# Allegro board PCIe3_0_X16_V1_0-166-20240802_20240828_pcb.brd (continued)
## Library data of the parts (continued)
C1-C8 C10 C40-C44 C48-C51 C58-C61 C68 C73-C76 C85-C94 C96 C98 C123 C124 C126 C128 C153 C156 C161-C169 C182 C183 C185 C187 C212 C213 C215 C217 C242 C245 C250-C258 C272 C275 C276 C278 C280 C282 C284 C287 C288 C290 C292 C294 C296 C298 C300 C302-C310 C314-C318 C329 C330 C341 C342 C454 C463 C469-C486 = 0_1UF_0
C9 C11 C25 C26 C28 C36 C38 C45 C52 C54 C55 C99 C111 C129 C141 C170 C188 C200 C218 C230 C259 C416 C437 = 47UF_0
C12-C15 = 0_01UF_0: signal model: 0_01UF_0_C0402_BGA_0.01UF_0.01UF
C16 C17 C19 C20 C372 C373 = 0_01UF_1: signal model: 0_01UF_1_C0402_0.1UF_0.1UF
C18 C431 C433 = 10UF_1
C21-C24 C27 C35 C415 = 100UF_0
C29-C34 C37 C39 C46 C53 C56 C57 C62-C67 C359 C366 C419 C447 C448 C451-C453 C456 C457 C460-C462 = 10UF_0
C47 C358 C365 C375 C391 C392 C400 C401 C409 C410 C427 C428 C445 C468 = 1UF_0
C69-C72 C77-C84 C95 C97 C101-C110 C113-C122 C125 C127 C131-C140 C143-C152 C155 C157-C160 C172-C181 C184 C186 C190-C199 C202-C211 C214 C216 C220-C229 C232-C241 C244 C246-C249 C261-C270 = 4_7UF_0
C100 C112 C130 C142 C171 C189 C201 C219 C231 C260 C271 C273 C274 C277 C279 C281 C283 C285 C286 C289 C291 C293 C295 C297 C299 C301 C312 C378-C381 C387-C390 C396-C399 C405-C408 C423-C426 C435 C440-C443 = 22UF_0
C154 C243 C319-C328 C331-C340 C343-C357 C360-C364 C367-C369 C374 C376 C377 C385 C386 C393-C395 C402-C404 C411-C414 C417 C420 C422 C429 C430 C432 C434 C436 C438 C439 C446 C466 = 0_01UF_0
C313 C467 = 10UF_2
C370 C371 = 0_01UF_1
C382 C383 C421 C449 C458 = 1000PF_0
C384 C418 C444 C450 C455 C459 C464 = 4_7UF_1
C465 = CAP_NPOL
CC1-CC15 = 680UF_TANT_E_1
D1-D4 = BAT54CLT1G_2
D5 = H485CGDL
DS1 DS2 = LED-GRN-SMT_LED_2
J1 = 10PIN_CONNECTOR_1
J2 = SMA_3
J3 = QSFP_523-FS1-Z38-20Z6-10
J4 = U95-T1Y1-A100
J5 = POWER_HDR_0
J6 = HDR_0
L1-L28 L30 L32 L34 L36 L37 L39-L43 L45-L51 = BLM15HD102SN1_0
L29 L44 = 2773021447_1
L31 L33 L35 L38 = INDUCTOR
MH1-MH4 = HOLE_MH_125_3
P1 = TE_2007132-1
P2 = PCIE_X16_EDGE_0
Q1 Q2 Q4 = NDS331N_SOT23_1
Q3 = CSD25402Q3A_1
R1-R3 R24-R28 R73 R115 R153-R201 R207 R213 = 4_7K_0
R4 = 261_0
R5 R6 R15 R22 R23 R55 R203 R205 R262 R278 R290 R295 R298 R300 R302 = 0_0: signal model: 0_0_R0402_0_0
R7-R10 R208 R214 R218-R261 R263-R277 R279-R289 R292-R294 R299 R301 R303 = 10_0K_0
R11 R12 R14 R16-R20 R35 R37-R39 R41 R42 R44 R47 R48 R56 R57 R59 R61-R63 R65 R66 R68 R94 R97 R99 R136 R139 R140 R210 R211 R216 R217 R297 = 1_00K_0
R13 R21 R29-R31 R202 R204 = 0_0: signal model: 0_0_R0402_0_DNP_0_DNP
R32 R33 R40 R64 R206 R209 R212 R215 = 100_0
R34 R36 R43 R58 R60 R67 R70 R72 R75 R77 R108 R112 R114 R117 R119 R150 = 100_C402_0
R45 R46 R49-R54 R69 R71 R74 R76 R81 R107 R109-R111 R113 R116 R118 R128 R149 R151 R152 = 49_9_0
R78-R80 R82-R93 R95 R96 R98 R100-R106 R120-R127 R129-R135 R137 R138 R141-R148 = RES
R291 = 249_0402
R296 = 0_0
TP1-TP22 = TEST-POINT_1
TP23-TP26 = TEST POINT
U1 = XCVU3P-2FFVC1517I
U2 = PC28F512P30TFA
U3 = NZ2520SB_2
U4-U13 = MT40A512M16LY-062E_IT_E
U14-U17 = TXS0108E_1
U18 U19 = TXS0102DCUR_1
U20 U23 = LMK1D1204RGTR_0
U21 U22 = SiT9121AI-2B1-33E200.000000
U24 = TPS56221DQPT_6
U25-U27 U29 = TPS56221DQPT_2
U28 = LT3070EUFD#TRPBF
U30 = R1112NXX1B_1
U31 = TPS7A9201DSKR_3
U32 = TPS53353DQPR_5
U33 U34 = TPS51200DRCT_0
U35 = HEAT_SINK_5

## Footprints (pads in the part's own frame, mm; a bottom-side part is the same pattern mirrored in y, then rotated)
0022112042
  round 1.575 hole 1.067: 1(0,0) 2(2.54,0) 3(5.08,0) 4(7.62,0)
0039301040
  round 3 hole 3 unplated: (-2.1,-7.3)
  rect 2.3x2.3 hole 1.8: 1(0,0)
  round 2.3 hole 1.8: 2(-4.2,0) 3(0,5.5) 4(-4.2,5.5)
ADP150AUJZ
  rect 0.953x0.508 smd: 1(-1.276,0.95) 2(-1.276,0) 3(-1.276,-0.95) 4(1.276,-0.95) 5(1.276,0.95)
ATS-61800K-C2-R0
  round 6.096 hole 3.048: 1(-37,37) 2(37,37) 3(37,-37) 4(-37,-37)
C0402
  rect 0.559x0.559 smd: 1(-0.4,0) 2(0.4,0)
C0402_BGA
  custom 0.559x0.508 smd: 1(-0.47,0) 2(0.47,0)
C0603
  rect 0.711x0.838 smd: 1(-0.7,0) 2(0.7,0)
C0805
  rect 0.838x1.295 smd: 1(-0.85,0) 2(0.85,0)
C1206
  rect 1.143x1.702 smd: 1(-1.325,0) 2(1.325,0)
C2917X
  rect 2.388x1.93 smd: 1(0,-3.193) 2(0,3.193)
CSD25402
  rect 0.61x0.305 smd: 1(-1.549,0.975) 2(-1.549,0.325) 3(-1.549,-0.325) 4(-1.549,-0.975)
  custom 2.388x2.438 smd: 5(-0.533,-0.051)
D_QSFP_1X1
  round 1.676 hole 1.2: 1(2,5.42) 2(9.2,5.42) 3(16.5,0.23) 4(16.5,-10.47) 5(16.5,-19.47) 6(16.5,-28.47) 7(16.5,-37.47) 8(-2.5,-41.97) 9(-2.5,-32.97) 10(-2.5,-23.97) 11(-2.5,-14.97) 12(-2.5,-4.27)
ECS-2520MV
  rect 0.914x0.813 smd: 1(0.925,0.725) 2(-0.925,0.725) 3(-0.925,-0.725) 4(0.925,-0.725)
FBGA_DDR4_96P
  round 0.406 smd: A1(3.2,-6) A2(2.4,-6) A3(1.6,-6) A7(-1.6,-6) A8(-2.4,-6) A9(-3.2,-6) B1(3.2,-5.2) B2(2.4,-5.2) B3(1.6,-5.2) B7(-1.6,-5.2) B8(-2.4,-5.2) B9(-3.2,-5.2) C1(3.2,-4.4) C2(2.4,-4.4) C3(1.6,-4.4) C7(-1.6,-4.4) C8(-2.4,-4.4) C9(-3.2,-4.4) D1(3.2,-3.6) D2(2.4,-3.6) D3(1.6,-3.6) D7(-1.6,-3.6) D8(-2.4,-3.6) D9(-3.2,-3.6) E1(3.2,-2.8) E2(2.4,-2.8) E3(1.6,-2.8) E7(-1.6,-2.8) E8(-2.4,-2.8) E9(-3.2,-2.8) F1(3.2,-2) F2(2.4,-2) F3(1.6,-2) F7(-1.6,-2) F8(-2.4,-2) F9(-3.2,-2) G1(3.2,-1.2) G2(2.4,-1.2) G3(1.6,-1.2) G7(-1.6,-1.2) G8(-2.4,-1.2) G9(-3.2,-1.2) H1(3.2,-0.4) H2(2.4,-0.4) H3(1.6,-0.4) H7(-1.6,-0.4) H8(-2.4,-0.4) H9(-3.2,-0.4) J1(3.2,0.4) J2(2.4,0.4) J3(1.6,0.4) J7(-1.6,0.4) J8(-2.4,0.4) J9(-3.2,0.4) K1(3.2,1.2) K2(2.4,1.2) K3(1.6,1.2) K7(-1.6,1.2) K8(-2.4,1.2) K9(-3.2,1.2) L1(3.2,2) L2(2.4,2) L3(1.6,2) L7(-1.6,2) L8(-2.4,2) L9(-3.2,2) M1(3.2,2.8) M2(2.4,2.8) M3(1.6,2.8) M7(-1.6,2.8) M8(-2.4,2.8) M9(-3.2,2.8) N1(3.2,3.6) N2(2.4,3.6) N3(1.6,3.6) N7(-1.6,3.6) N8(-2.4,3.6) N9(-3.2,3.6) P1(3.2,4.4) P2(2.4,4.4) P3(1.6,4.4) P7(-1.6,4.4) P8(-2.4,4.4) P9(-3.2,4.4) R1(3.2,5.2) R2(2.4,5.2) R3(1.6,5.2) R7(-1.6,5.2) R8(-2.4,5.2) R9(-3.2,5.2) T1(3.2,6) T2(2.4,6) T3(1.6,6) T7(-1.6,6) T8(-2.4,6) T9(-3.2,6)
H485CGDL
  round 1.397 hole 0.889: 1(0,0) 2(0,-2.54) 3(0,-5.08) 4(0,-7.62) 5(2.5,-7.62) 6(2.5,-5.08) 7(2.5,-2.54) 8(2.5,0)
IHLP4040DZERR
  rect 2.921x3.251 smd: 1(-4.28,0) 2(4.28,0)
L0402
  rect 0.508x0.508 smd: 1(-0.4,0) 2(0.4,0)
L0603
  rect 0.711x0.889 smd: 1(-0.7,0) 2(0.7,0)
L0805
  rect 0.813x1.346 smd: 1(-0.85,0) 2(0.85,0)
LED_0603
  rect 0.76x0.8 smd: 1(-0.759,0) 2(0.759,0)
LMK1D1204RGT
  rect 0.813x0.254 smd: 1(-1.448,0.75) 2(-1.448,0.25) 3(-1.448,-0.25) 4(-1.448,-0.75) 9(1.448,-0.75) 10(1.448,-0.25) 11(1.448,0.25) 12(1.448,0.75)
  rect 0.254x0.813 smd: 5(-0.75,-1.448) 6(-0.25,-1.448) 7(0.25,-1.448) 8(0.75,-1.448) 13(0.75,1.448) 14(0.25,1.448) 15(-0.25,1.448) 16(-0.75,1.448)
  rect 1.727x1.727 smd: 17(0,0)
LT3070EUFD
  rect 0.805x0.249 smd: 1(-1.952,1.75) 2(-1.952,1.25) 3(-1.952,0.75) 4(-1.952,0.25) 5(-1.952,-0.25) 6(-1.952,-0.75) 7(-1.952,-1.25) 8(-1.952,-1.75) 15(1.952,-1.75) 16(1.952,-1.25) 17(1.952,-0.75) 18(1.952,-0.25) 19(1.952,0.25) 20(1.952,0.75) 21(1.952,1.25) 22(1.952,1.75)
  rect 0.249x0.805 smd: 9(-1.25,-2.452) 10(-0.75,-2.452) 11(-0.25,-2.452) 12(0.25,-2.452) 13(0.75,-2.452) 14(1.25,-2.452) 23(1.25,2.452) 24(0.75,2.452) 25(0.25,2.452) 26(-0.25,2.452) 27(-0.75,2.452) 28(-1.25,2.452)
  rect 2.743x3.734 smd: 29(0,0)
MH_250H125
  round 6.35 hole 3.175: 1(0,0)
NDS331N
  rect 1.016x1.397 smd: 1(-0.95,-1.1) 2(0.95,-1.1) 3(0,1.1)
PA0513_441NLT
  rect 3.175x7.62 smd: 1(-6.195,0) 2(5.995,0)
PC28F512P30TFA_BGA64
  round 0.432 smd: A1(-3.5,3.5) A2(-2.5,3.5) A3(-1.5,3.5) A4(-0.5,3.5) A5(0.5,3.5) A6(1.5,3.5) A7(2.5,3.5) A8(3.5,3.5) B1(-3.5,2.5) B2(-2.5,2.5) B3(-1.5,2.5) B4(-0.5,2.5) B5(0.5,2.5) B6(1.5,2.5) B7(2.5,2.5) B8(3.5,2.5) C1(-3.5,1.5) C2(-2.5,1.5) C3(-1.5,1.5) C4(-0.5,1.5) C5(0.5,1.5) C6(1.5,1.5) C7(2.5,1.5) C8(3.5,1.5) D1(-3.5,0.5) D2(-2.5,0.5) D3(-1.5,0.5) D4(-0.5,0.5) D5(0.5,0.5) D6(1.5,0.5) D7(2.5,0.5) D8(3.5,0.5) E1(-3.5,-0.5) E2(-2.5,-0.5) E3(-1.5,-0.5) E4(-0.5,-0.5) E5(0.5,-0.5) E6(1.5,-0.5) E7(2.5,-0.5) E8(3.5,-0.5) F1(-3.5,-1.5) F2(-2.5,-1.5) F3(-1.5,-1.5) F4(-0.5,-1.5) F5(0.5,-1.5) F6(1.5,-1.5) F7(2.5,-1.5) F8(3.5,-1.5) G1(-3.5,-2.5) G2(-2.5,-2.5) G3(-1.5,-2.5) G4(-0.5,-2.5) G5(0.5,-2.5) G6(1.5,-2.5) G7(2.5,-2.5) G8(3.5,-2.5) H1(-3.5,-3.5) H2(-2.5,-3.5) H3(-1.5,-3.5) H4(-0.5,-3.5) H5(0.5,-3.5) H6(1.5,-3.5) H7(2.5,-3.5) H8(3.5,-3.5)
PCIE_X16_EDGE
  rect 0.7x3.2 smd: A1(-41.5,0.5) B81(40.5,0.5)
  rect 0.7x4.3 smd: A2(-40.5,-0.05) A3(-39.5,-0.05) A4(-38.5,-0.05) A5(-37.5,-0.05) A6(-36.5,-0.05) A7(-35.5,-0.05) A8(-34.5,-0.05) A9(-33.5,-0.05) A10(-32.5,-0.05) A11(-31.5,-0.05) A12(-28.5,-0.05) A13(-27.5,-0.05) A14(-26.5,-0.05) A15(-25.5,-0.05) A16(-24.5,-0.05) A17(-23.5,-0.05) A18(-22.5,-0.05) A19(-21.5,-0.05) A20(-20.5,-0.05) A21(-19.5,-0.05) A22(-18.5,-0.05) A23(-17.5,-0.05) A24(-16.5,-0.05) A25(-15.5,-0.05) A26(-14.5,-0.05) A27(-13.5,-0.05) A28(-12.5,-0.05) A29(-11.5,-0.05) A30(-10.5,-0.05) A31(-9.5,-0.05) A32(-8.5,-0.05) A33(-7.5,-0.05) A34(-6.5,-0.05) A35(-5.5,-0.05) A36(-4.5,-0.05) A37(-3.5,-0.05) A38(-2.5,-0.05) A39(-1.5,-0.05) A40(-0.5,-0.05) A41(0.5,-0.05) A42(1.5,-0.05) A43(2.5,-0.05) A44(3.5,-0.05) A45(4.5,-0.05) A46(5.5,-0.05) A47(6.5,-0.05) A48(7.5,-0.05) A49(8.5,-0.05) A50(9.5,-0.05) A51(10.5,-0.05) A52(11.5,-0.05) A53(12.5,-0.05) A54(13.5,-0.05) A55(14.5,-0.05) A56(15.5,-0.05) A57(16.5,-0.05) A58(17.5,-0.05) A59(18.5,-0.05) A60(19.5,-0.05) A61(20.5,-0.05) A62(21.5,-0.05) A63(22.5,-0.05) A64(23.5,-0.05) A65(24.5,-0.05) A66(25.5,-0.05) A67(26.5,-0.05) A68(27.5,-0.05) A69(28.5,-0.05) A70(29.5,-0.05) A71(30.5,-0.05) A72(31.5,-0.05) A73(32.5,-0.05) A74(33.5,-0.05) A75(34.5,-0.05) A76(35.5,-0.05) A77(36.5,-0.05) A78(37.5,-0.05) A79(38.5,-0.05) A80(39.5,-0.05) A81(40.5,-0.05) A82(41.5,-0.05) B1(-41.5,-0.05) B2(-40.5,-0.05) B3(-39.5,-0.05) B4(-38.5,-0.05) B5(-37.5,-0.05) B6(-36.5,-0.05) B7(-35.5,-0.05) B8(-34.5,-0.05) B9(-33.5,-0.05) B10(-32.5,-0.05) B11(-31.5,-0.05) B12(-28.5,-0.05) B13(-27.5,-0.05) B14(-26.5,-0.05) B15(-25.5,-0.05) B16(-24.5,-0.05) B17(-23.5,-0.05) B18(-22.5,-0.05) B19(-21.5,-0.05) B20(-20.5,-0.05) B21(-19.5,-0.05) B22(-18.5,-0.05) B23(-17.5,-0.05) B24(-16.5,-0.05) B25(-15.5,-0.05) B26(-14.5,-0.05) B27(-13.5,-0.05) B28(-12.5,-0.05) B29(-11.5,-0.05) B30(-10.5,-0.05) B31(-9.5,-0.05) B32(-8.5,-0.05) B33(-7.5,-0.05) B34(-6.5,-0.05) B35(-5.5,-0.05) B36(-4.5,-0.05) B37(-3.5,-0.05) B38(-2.5,-0.05) B39(-1.5,-0.05) B40(-0.5,-0.05) B41(0.5,-0.05) B42(1.5,-0.05) B43(2.5,-0.05) B44(3.5,-0.05) B45(4.5,-0.05) B46(5.5,-0.05) B47(6.5,-0.05) B48(7.5,-0.05) B49(8.5,-0.05) B50(9.5,-0.05) B51(10.5,-0.05) B52(11.5,-0.05) B53(12.5,-0.05) B54(13.5,-0.05) B55(14.5,-0.05) B56(15.5,-0.05) B57(16.5,-0.05) B58(17.5,-0.05) B59(18.5,-0.05) B60(19.5,-0.05) B61(20.5,-0.05) B62(21.5,-0.05) B63(22.5,-0.05) B64(23.5,-0.05) B65(24.5,-0.05) B66(25.5,-0.05) B67(26.5,-0.05) B68(27.5,-0.05) B69(28.5,-0.05) B70(29.5,-0.05) B71(30.5,-0.05) B72(31.5,-0.05) B73(32.5,-0.05) B74(33.5,-0.05) B75(34.5,-0.05) B76(35.5,-0.05) B77(36.5,-0.05) B78(37.5,-0.05) B79(38.5,-0.05) B80(39.5,-0.05) B82(41.5,-0.05)
QSFP_28
  round 1.6 hole 1.6 unplated: (-1.4,-7.37) (15.4,-7.37)
  oval 0.356x1.803 smd: 1(0,0) 2(0.8,0) 3(1.6,0) 4(2.4,0) 5(3.2,0) 6(4,0) 7(4.8,0) 8(5.6,0) 9(6.4,0) 10(7.2,0) 11(8,0) 12(8.8,0) 13(9.6,0) 14(10.4,0) 15(11.2,0) 16(12,0) 17(12.8,0) 18(13.6,0) 19(14.4,0) 20(14,2.51) 21(13.2,2.51) 22(12.4,2.51) 23(11.6,2.51) 24(10.8,2.51) 25(10,2.51) 26(9.2,2.51) 27(8.4,2.51) 28(7.6,2.51) 29(6.8,2.51) 30(6,2.51) 31(5.2,2.51) 32(4.4,2.51) 33(3.6,2.51) 34(2.8,2.51) 35(2,2.51) 36(1.2,2.51) 37(0.4,2.51) 38(-0.4,2.51)
R0402
  rect 0.508x0.508 smd: 1(-0.4,0) 2(0.4,0)
R0805
  rect 1.016x1.143 smd: 1(-1.016,0) 2(1.016,0)
RF2-04A-T-00-50-G
  round 2.007 hole 1.499: 1(0,0)
  round 1.905 hole 1.397: 2(-2.553,2.553) 3(-2.553,-2.553) 4(2.553,-2.553) 5(2.553,2.553)
SBH11-PBPC-D05-ST-BK
  rect 1.346x1.346 hole 0.94: 1(-5.08,-1.27)
  round 1.346 hole 0.94: 2(-5.08,1.27) 3(-2.54,-1.27) 4(-2.54,1.27) 5(0,-1.27) 6(0,1.27) 7(2.54,-1.27) 8(2.54,1.27) 9(5.08,-1.27) 10(5.08,1.27)
SFP_1X4_CAGE
  round 1.549 hole 1.549 unplated: (-54.675,30.9) (-45.075,30.9) (-40.425,30.9) (-30.825,30.9) (-26.175,30.9) (-16.575,30.9) (-11.925,30.9) (-2.325,30.9)
  rect 2.007x2.007 hole 1.05: 1(-57,35) 3(-57,25) 5(-57,15) 6(-57,5) 7(-48.425,0) 8(-42.75,0) 9(-34.175,0) 10(-19.925,0) 11(-5.675,0) 12(0,0) 14(-14.25,5) 15(-42.75,10) 16(0,10) 17(-51.325,15) 18(-45.925,15) 19(-37.075,15) 20(-31.675,15) 22(-22.825,15) 23(-17.425,15) 24(-14.25,15) 25(-8.575,15) 26(-3.175,15) 27(-42.75,20) 28(0,20) 33(-14.25,25) 39(-14.25,35)
  round 1.448 hole 0.95: 2(-7.125,37.1) 4(-56.999,22.8) 13(-28.5,5) 21(-28.5,15) 29(-42.75,22.8) 30(-14.25,22.8) 31(0,22.8) 32(-28.5,25) 34(-42.75,27.5) 35(0,27.5) 36(-42.75,32.5) 37(0,32.5) 38(-28.5,35) 40(-54.675,37.1) 41(-49.875,37.1) 42(-40.425,37.1) 43(-35.625,37.1) 44(-26.175,37.1) 45(-21.375,37.1) 46(-11.925,37.1)
  oval 0.508x2.007 smd: A1(-53.275,26.8) A2(-52.475,26.8) A3(-51.675,26.8) A4(-50.875,26.8) A5(-50.075,26.8) A6(-49.275,26.8) A7(-48.475,26.8) A8(-47.675,26.8) A9(-46.875,26.8) A10(-46.075,26.8) A11(-46.475,35) A12(-47.275,35) A13(-48.075,35) A14(-48.875,35) A15(-49.675,35) A16(-50.475,35) A17(-51.275,35) A18(-52.075,35) A19(-52.875,35) A20(-53.675,35) B1(-39.025,26.8) B2(-38.225,26.8) B3(-37.425,26.8) B4(-36.625,26.8) B5(-35.825,26.8) B6(-35.025,26.8) B7(-34.225,26.8) B8(-33.425,26.8) B9(-32.625,26.8) B10(-31.825,26.8) B11(-32.225,35) B12(-33.025,35) B13(-33.825,35) B14(-34.625,35) B15(-35.425,35) B16(-36.225,35) B17(-37.025,35) B18(-37.825,35) B19(-38.625,35) B20(-39.425,35) C1(-24.775,26.8) C2(-23.975,26.8) C3(-23.175,26.8) C4(-22.375,26.8) C5(-21.575,26.8) C6(-20.775,26.8) C7(-19.975,26.8) C8(-19.175,26.8) C9(-18.375,26.8) C10(-17.575,26.8) C11(-17.975,35) C12(-18.775,35) C13(-19.575,35) C14(-20.375,35) C15(-21.175,35) C16(-21.975,35) C17(-22.775,35) C18(-23.575,35) C19(-24.375,35) C20(-25.175,35) D1(-10.525,26.8) D2(-9.725,26.8) D3(-8.925,26.8) D4(-8.125,26.8) D5(-7.325,26.8) D6(-6.525,26.8) D7(-5.725,26.8) D8(-4.925,26.8) D9(-4.125,26.8) D10(-3.325,26.8) D11(-3.725,35) D12(-4.525,35) D13(-5.325,35) D14(-6.125,35) D15(-6.925,35) D16(-7.725,35) D17(-8.525,35) D18(-9.325,35) D19(-10.125,35) D20(-10.925,35)
SIP-1P
  round 1.651 hole 0.914: 1(0,0)
SMD-3225
  rect 0.711x0.762 smd: 1(-1.175,-0.825) 3(1.175,-0.825) 4(1.175,0.825) 6(-1.175,0.825)
  rect 0.559x0.762 smd: 2(0,-0.825) 5(0,0.825)
SOT-23
  rect 0.559x1.321 smd: 1(-0.953,-1.016) 2(0.953,-1.016) 3(0,1.016)
TP0_8
  round 0.822 smd: 1(0,0)
TPS7A9201DSKR
  rect 0.6x0.25 smd: 1(-1.15,1) 2(-1.15,0.5) 3(-1.15,0) 4(-1.15,-0.5) 5(-1.15,-1) 6(1.15,-1) 7(1.15,-0.5) 8(1.15,0) 9(1.15,0.5) 10(1.15,1)
  rect 1.2x2 smd: 11(0,0)
TPS51200DRC
  rect 0.6x0.24 smd: 1(-1.4,1) 2(-1.4,0.5) 3(-1.4,0) 4(-1.4,-0.5) 5(-1.4,-1) 6(1.4,-1) 7(1.4,-0.5) 8(1.4,0) 9(1.4,0.5) 10(1.4,1)
  rect 1.65x2.4 smd: 11(0,0)
TPS53353DQP
  rect 0.85x0.28 smd: 1(-2.475,2.5) 2(-2.475,2) 3(-2.475,1.5) 4(-2.475,1) 5(-2.475,0.5) 6(-2.475,0) 7(-2.475,-0.5) 8(-2.475,-1) 9(-2.475,-1.5) 10(-2.475,-2) 11(-2.475,-2.5) 12(2.475,-2.5) 13(2.475,-2) 14(2.475,-1.5) 15(2.475,-1) 16(2.475,-0.5) 17(2.475,0) 18(2.475,0.5) 19(2.475,1) 20(2.475,1.5) 21(2.475,2) 22(2.475,2.5)
  rect 3.24x5.479 smd: 23(0,0)
TXS0102DCT
  rect 1.562x0.356 smd: 1(-1.695,0.975) 2(-1.695,0.325) 3(-1.695,-0.325) 4(-1.695,-0.975) 5(1.695,-0.975) 6(1.695,-0.325) 7(1.695,0.325) 8(1.695,0.975)
TXS0108EPWR
  rect 1.676x0.356 smd: 1(-2.819,2.925) 2(-2.819,2.275) 3(-2.819,1.625) 4(-2.819,0.975) 5(-2.819,0.325) 6(-2.819,-0.325) 7(-2.819,-0.975) 8(-2.819,-1.625) 9(-2.819,-2.275) 10(-2.819,-2.925) 11(2.819,-2.925) 12(2.819,-2.275) 13(2.819,-1.625) 14(2.819,-0.975) 15(2.819,-0.325) 16(2.819,0.325) 17(2.819,0.975) 18(2.819,1.625) 19(2.819,2.275) 20(2.819,2.925)
unnamed#2
  round 1.016 smd: 1(0,0)
unnamed#3
  round 1.016 smd: (-10,-1.5) (-10,-1.5)
  round 2.032 hole 2.032 unplated: (-5,-2.5)
unnamed#4
  round 1.016 smd: (-15,1.5) (-15,1.5)
  round 2.032 hole 2.032 unplated: (-5,2.5)
XCVU3P-2FFVC1517I
  round 0.559 smd: A2(-18,19) A3(-17,19) A4(-16,19) A5(-15,19) A6(-14,19) A7(-13,19) A8(-12,19) A9(-11,19) A10(-10,19) A11(-9,19) A12(-8,19) A13(-7,19) A14(-6,19) A15(-5,19) A16(-4,19) A17(-3,19) A18(-2,19) A19(-1,19) A20(0,19) A21(1,19) A22(2,19) A23(3,19) A24(4,19) A25(5,19) A26(6,19) A27(7,19) A28(8,19) A29(9,19) A30(10,19) A31(11,19) A32(12,19) A33(13,19) A34(14,19) A35(15,19) A36(16,19) A37(17,19) A38(18,19) AA1(-19,-1) AA2(-18,-1) AA3(-17,-1) AA4(-16,-1) AA5(-15,-1) AA6(-14,-1) AA7(-13,-1) AA8(-12,-1) AA9(-11,-1) AA10(-10,-1) AA11(-9,-1) AA12(-8,-1) AA13(-7,-1) AA14(-6,-1) AA15(-5,-1) AA16(-4,-1) AA17(-3,-1) AA18(-2,-1) AA19(-1,-1) AA20(0,-1) AA21(1,-1) AA22(2,-1) AA23(3,-1) AA24(4,-1) AA25(5,-1) AA26(6,-1) AA27(7,-1) AA28(8,-1) AA29(9,-1) AA30(10,-1) AA31(11,-1) AA32(12,-1) AA33(13,-1) AA34(14,-1) AA35(15,-1) AA36(16,-1) AA37(17,-1) AA38(18,-1) AA39(19,-1) AB1(-19,-2) AB2(-18,-2) AB3(-17,-2) AB4(-16,-2) AB5(-15,-2) AB6(-14,-2) AB7(-13,-2) AB8(-12,-2) AB9(-11,-2) AB10(-10,-2) AB11(-9,-2) AB12(-8,-2) AB13(-7,-2) AB14(-6,-2) AB15(-5,-2) AB16(-4,-2) AB17(-3,-2) AB18(-2,-2) AB19(-1,-2) AB20(0,-2) AB21(1,-2) AB22(2,-2) AB23(3,-2) AB24(4,-2) AB25(5,-2) AB26(6,-2) AB27(7,-2) AB28(8,-2) AB29(9,-2) AB30(10,-2) AB31(11,-2) AB32(12,-2) AB33(13,-2) AB34(14,-2) AB35(15,-2) AB36(16,-2) AB37(17,-2) AB38(18,-2) AB39(19,-2) AC1(-19,-3) AC2(-18,-3) AC3(-17,-3) AC4(-16,-3) AC5(-15,-3) AC6(-14,-3) AC7(-13,-3) AC8(-12,-3) AC9(-11,-3) AC10(-10,-3) AC11(-9,-3) AC12(-8,-3) AC13(-7,-3) AC14(-6,-3) AC15(-5,-3) AC16(-4,-3) AC17(-3,-3) AC18(-2,-3) AC19(-1,-3) AC20(0,-3) AC21(1,-3) AC22(2,-3) AC23(3,-3) AC24(4,-3) AC25(5,-3) AC26(6,-3) AC27(7,-3) AC28(8,-3) AC29(9,-3) AC30(10,-3) AC31(11,-3) AC32(12,-3) AC33(13,-3) AC34(14,-3) AC35(15,-3) AC36(16,-3) AC37(17,-3) AC38(18,-3) AC39(19,-3) AD1(-19,-4) AD2(-18,-4) AD3(-17,-4) AD4(-16,-4) AD5(-15,-4) AD6(-14,-4) AD7(-13,-4) AD8(-12,-4) AD9(-11,-4) AD10(-10,-4) AD11(-9,-4) AD12(-8,-4) AD13(-7,-4) AD14(-6,-4) AD15(-5,-4) AD16(-4,-4) AD17(-3,-4) AD18(-2,-4) AD19(-1,-4) AD20(0,-4) AD21(1,-4) AD22(2,-4) AD23(3,-4) AD24(4,-4) AD25(5,-4) AD26(6,-4) AD27(7,-4) AD28(8,-4) AD29(9,-4) AD30(10,-4) AD31(11,-4) AD32(12,-4) AD33(13,-4) AD34(14,-4) AD35(15,-4) AD36(16,-4) AD37(17,-4) AD38(18,-4) AD39(19,-4) AE1(-19,-5) AE2(-18,-5) AE3(-17,-5) AE4(-16,-5) AE5(-15,-5) AE6(-14,-5) AE7(-13,-5) AE8(-12,-5) AE9(-11,-5) AE10(-10,-5) AE11(-9,-5) AE12(-8,-5) AE13(-7,-5) AE14(-6,-5) AE15(-5,-5) AE16(-4,-5) AE17(-3,-5) AE18(-2,-5) AE19(-1,-5) AE20(0,-5) AE21(1,-5) AE22(2,-5) AE23(3,-5) AE24(4,-5) AE25(5,-5) AE26(6,-5) AE27(7,-5) AE28(8,-5) AE29(9,-5) AE30(10,-5) AE31(11,-5) AE32(12,-5) AE33(13,-5) AE34(14,-5) AE35(15,-5) AE36(16,-5) AE37(17,-5) AE38(18,-5) AE39(19,-5) AF1(-19,-6) AF2(-18,-6) AF3(-17,-6) AF4(-16,-6) AF5(-15,-6) AF6(-14,-6) AF7(-13,-6) AF8(-12,-6) AF9(-11,-6) AF10(-10,-6) AF11(-9,-6) AF12(-8,-6) AF13(-7,-6) AF14(-6,-6) AF15(-5,-6) AF16(-4,-6) AF17(-3,-6) AF18(-2,-6) AF19(-1,-6) AF20(0,-6) AF21(1,-6) AF22(2,-6) AF23(3,-6) AF24(4,-6) AF25(5,-6) AF26(6,-6) AF27(7,-6) AF28(8,-6) AF29(9,-6) AF30(10,-6) AF31(11,-6) AF32(12,-6) AF33(13,-6) AF34(14,-6) AF35(15,-6) AF36(16,-6) AF37(17,-6) AF38(18,-6) AF39(19,-6) AG1(-19,-7) AG2(-18,-7) AG3(-17,-7) AG4(-16,-7) AG5(-15,-7) AG6(-14,-7) AG7(-13,-7) AG8(-12,-7) AG9(-11,-7) AG10(-10,-7) AG11(-9,-7) AG12(-8,-7) AG13(-7,-7) AG14(-6,-7) AG15(-5,-7) AG16(-4,-7) AG17(-3,-7) AG18(-2,-7) AG19(-1,-7) AG20(0,-7) AG21(1,-7) AG22(2,-7) AG23(3,-7) AG24(4,-7) AG25(5,-7) AG26(6,-7) AG27(7,-7) AG28(8,-7) AG29(9,-7) AG30(10,-7) AG31(11,-7) AG32(12,-7) AG33(13,-7) AG34(14,-7) AG35(15,-7) AG36(16,-7) AG37(17,-7) AG38(18,-7) AG39(19,-7) AH1(-19,-8) AH2(-18,-8) AH3(-17,-8) AH4(-16,-8) AH5(-15,-8) AH6(-14,-8) AH7(-13,-8) AH8(-12,-8) AH9(-11,-8) AH10(-10,-8) AH11(-9,-8) AH12(-8,-8) AH13(-7,-8) AH14(-6,-8) AH15(-5,-8) AH16(-4,-8) AH17(-3,-8) AH18(-2,-8) AH19(-1,-8) AH20(0,-8) AH21(1,-8) AH22(2,-8) AH23(3,-8) AH24(4,-8) AH25(5,-8) AH26(6,-8) AH27(7,-8) AH28(8,-8) AH29(9,-8) AH30(10,-8) AH31(11,-8) AH32(12,-8) AH33(13,-8) AH34(14,-8) AH35(15,-8) AH36(16,-8) AH37(17,-8) AH38(18,-8) AH39(19,-8) AJ1(-19,-9) AJ2(-18,-9) AJ3(-17,-9) AJ4(-16,-9) AJ5(-15,-9) AJ6(-14,-9) AJ7(-13,-9) AJ8(-12,-9) AJ9(-11,-9) AJ10(-10,-9) AJ11(-9,-9) AJ12(-8,-9) AJ13(-7,-9) AJ14(-6,-9) AJ15(-5,-9) AJ16(-4,-9) AJ17(-3,-9) AJ18(-2,-9) AJ19(-1,-9) AJ20(0,-9) AJ21(1,-9) AJ22(2,-9) AJ23(3,-9) AJ24(4,-9) AJ25(5,-9) AJ26(6,-9) AJ27(7,-9) AJ28(8,-9) AJ29(9,-9) AJ30(10,-9) AJ31(11,-9) AJ32(12,-9) AJ33(13,-9) AJ34(14,-9) AJ35(15,-9) AJ36(16,-9) AJ37(17,-9) AJ38(18,-9) AJ39(19,-9) AK1(-19,-10) AK2(-18,-10) AK3(-17,-10) AK4(-16,-10) AK5(-15,-10) AK6(-14,-10) AK7(-13,-10) AK8(-12,-10) AK9(-11,-10) AK10(-10,-10) AK11(-9,-10) AK12(-8,-10) AK13(-7,-10) AK14(-6,-10) AK15(-5,-10) AK16(-4,-10) AK17(-3,-10) AK18(-2,-10) AK19(-1,-10) AK20(0,-10) AK21(1,-10) AK22(2,-10) AK23(3,-10) AK24(4,-10) AK25(5,-10) AK26(6,-10) AK27(7,-10) AK28(8,-10) AK29(9,-10) AK30(10,-10) AK31(11,-10) AK32(12,-10) AK33(13,-10) AK34(14,-10) AK35(15,-10) AK36(16,-10) AK37(17,-10) AK38(18,-10) AK39(19,-10) AL1(-19,-11) AL2(-18,-11) AL3(-17,-11) AL4(-16,-11) AL5(-15,-11) AL6(-14,-11) AL7(-13,-11) AL8(-12,-11) AL9(-11,-11) AL10(-10,-11) AL11(-9,-11) AL12(-8,-11) AL13(-7,-11) AL14(-6,-11) AL15(-5,-11) AL16(-4,-11) AL17(-3,-11) AL18(-2,-11) AL19(-1,-11) AL20(0,-11) AL21(1,-11) AL22(2,-11) AL23(3,-11) AL24(4,-11) AL25(5,-11) AL26(6,-11) AL27(7,-11) AL28(8,-11) AL29(9,-11) AL30(10,-11) AL31(11,-11) AL32(12,-11) AL33(13,-11) AL34(14,-11) AL35(15,-11) AL36(16,-11) AL37(17,-11) AL38(18,-11) AL39(19,-11) AM1(-19,-12) AM2(-18,-12) AM3(-17,-12) AM4(-16,-12) AM5(-15,-12) AM6(-14,-12) AM7(-13,-12) AM8(-12,-12) AM9(-11,-12) AM10(-10,-12) AM11(-9,-12) AM12(-8,-12) AM13(-7,-12) AM14(-6,-12) AM15(-5,-12) AM16(-4,-12) AM17(-3,-12) AM18(-2,-12) AM19(-1,-12) AM20(0,-12) AM21(1,-12) AM22(2,-12) AM23(3,-12) AM24(4,-12) AM25(5,-12) AM26(6,-12) AM27(7,-12) AM28(8,-12) AM29(9,-12) AM30(10,-12) AM31(11,-12) AM32(12,-12) AM33(13,-12) AM34(14,-12) AM35(15,-12) AM36(16,-12) AM37(17,-12) AM38(18,-12) AM39(19,-12) AN1(-19,-13) AN2(-18,-13) AN3(-17,-13) AN4(-16,-13) AN5(-15,-13) AN6(-14,-13) AN7(-13,-13) AN8(-12,-13) AN9(-11,-13) AN10(-10,-13) AN11(-9,-13) AN12(-8,-13) AN13(-7,-13) AN14(-6,-13) AN15(-5,-13) AN16(-4,-13) AN17(-3,-13) AN18(-2,-13) AN19(-1,-13) AN20(0,-13) AN21(1,-13) AN22(2,-13) AN23(3,-13) AN24(4,-13) AN25(5,-13) AN26(6,-13) AN27(7,-13) AN28(8,-13) AN29(9,-13) AN30(10,-13) AN31(11,-13) AN32(12,-13) AN33(13,-13) AN34(14,-13) AN35(15,-13) AN36(16,-13) AN37(17,-13) AN38(18,-13) AN39(19,-13) AP1(-19,-14) AP2(-18,-14) AP3(-17,-14) AP4(-16,-14) AP5(-15,-14) AP6(-14,-14) AP7(-13,-14) AP8(-12,-14) AP9(-11,-14) AP10(-10,-14) AP11(-9,-14) AP12(-8,-14) AP13(-7,-14) AP14(-6,-14) AP15(-5,-14) AP16(-4,-14) AP17(-3,-14) AP18(-2,-14) AP19(-1,-14) AP20(0,-14) AP21(1,-14) AP22(2,-14) AP23(3,-14) AP24(4,-14) AP25(5,-14) AP26(6,-14) AP27(7,-14) AP28(8,-14) AP29(9,-14) AP30(10,-14) AP31(11,-14) AP32(12,-14) AP33(13,-14) AP34(14,-14) AP35(15,-14) AP36(16,-14) AP37(17,-14) AP38(18,-14) AP39(19,-14) AR1(-19,-15) AR2(-18,-15) AR3(-17,-15) AR4(-16,-15) AR5(-15,-15) AR6(-14,-15) AR7(-13,-15) AR8(-12,-15) AR9(-11,-15) AR10(-10,-15) AR11(-9,-15) AR12(-8,-15) AR13(-7,-15) AR14(-6,-15) AR15(-5,-15) AR16(-4,-15) AR17(-3,-15) AR18(-2,-15) AR19(-1,-15) AR20(0,-15) AR21(1,-15) AR22(2,-15) AR23(3,-15) AR24(4,-15) AR25(5,-15) AR26(6,-15) AR27(7,-15) AR28(8,-15) AR29(9,-15) AR30(10,-15) AR31(11,-15) AR32(12,-15) AR33(13,-15) AR34(14,-15) AR35(15,-15) AR36(16,-15) AR37(17,-15) AR38(18,-15) AR39(19,-15) AT1(-19,-16) AT2(-18,-16) AT3(-17,-16) AT4(-16,-16) AT5(-15,-16) AT6(-14,-16) AT7(-13,-16) AT8(-12,-16) AT9(-11,-16) AT10(-10,-16) AT11(-9,-16) AT12(-8,-16) AT13(-7,-16) AT14(-6,-16) AT15(-5,-16) AT16(-4,-16) AT17(-3,-16) AT18(-2,-16) AT19(-1,-16) AT20(0,-16) AT21(1,-16) AT22(2,-16) AT23(3,-16) AT24(4,-16) AT25(5,-16) AT26(6,-16) AT27(7,-16) AT28(8,-16) AT29(9,-16) AT30(10,-16) AT31(11,-16) AT32(12,-16) AT33(13,-16) AT34(14,-16) AT35(15,-16) AT36(16,-16) AT37(17,-16) AT38(18,-16) AT39(19,-16) AU1(-19,-17) AU2(-18,-17) AU3(-17,-17) AU4(-16,-17) AU5(-15,-17) AU6(-14,-17) AU7(-13,-17) AU8(-12,-17) AU9(-11,-17) AU10(-10,-17) AU11(-9,-17) AU12(-8,-17) AU13(-7,-17) AU14(-6,-17) AU15(-5,-17) AU16(-4,-17) AU17(-3,-17) AU18(-2,-17) AU19(-1,-17) AU20(0,-17) AU21(1,-17) AU22(2,-17) AU23(3,-17) AU24(4,-17) AU25(5,-17) AU26(6,-17) AU27(7,-17) AU28(8,-17) AU29(9,-17) AU30(10,-17) AU31(11,-17) AU32(12,-17) AU33(13,-17) AU34(14,-17) AU35(15,-17) AU36(16,-17) AU37(17,-17) AU38(18,-17) AU39(19,-17) AV1(-19,-18) AV2(-18,-18) AV3(-17,-18) AV4(-16,-18) AV5(-15,-18) AV6(-14,-18) AV7(-13,-18) AV8(-12,-18) AV9(-11,-18) AV10(-10,-18) AV11(-9,-18) AV12(-8,-18) AV13(-7,-18) AV14(-6,-18) AV15(-5,-18) AV16(-4,-18) AV17(-3,-18) AV18(-2,-18) AV19(-1,-18) AV20(0,-18) AV21(1,-18) AV22(2,-18) AV23(3,-18) AV24(4,-18) AV25(5,-18) AV26(6,-18) AV27(7,-18) AV28(8,-18) AV29(9,-18) AV30(10,-18) AV31(11,-18) AV32(12,-18) AV33(13,-18) AV34(14,-18) AV35(15,-18) AV36(16,-18) AV37(17,-18) AV38(18,-18) AV39(19,-18) AW2(-18,-19) AW3(-17,-19) AW4(-16,-19) AW5(-15,-19) AW6(-14,-19) AW7(-13,-19) AW8(-12,-19) AW9(-11,-19) AW10(-10,-19) AW11(-9,-19) AW12(-8,-19) AW13(-7,-19) AW14(-6,-19) AW15(-5,-19) AW16(-4,-19) AW17(-3,-19) AW18(-2,-19) AW19(-1,-19) AW20(0,-19) AW21(1,-19) AW22(2,-19) AW23(3,-19) AW24(4,-19) AW25(5,-19) AW26(6,-19) AW27(7,-19) AW28(8,-19) AW29(9,-19) AW30(10,-19) AW31(11,-19) AW32(12,-19) AW33(13,-19) AW34(14,-19) AW35(15,-19) AW36(16,-19) AW37(17,-19) AW38(18,-19) B1(-19,18) B2(-18,18) B3(-17,18) B4(-16,18) B5(-15,18) B6(-14,18) B7(-13,18) B8(-12,18) B9(-11,18) B10(-10,18) B11(-9,18) B12(-8,18) B13(-7,18) B14(-6,18) B15(-5,18) B16(-4,18) B17(-3,18) B18(-2,18) B19(-1,18) B20(0,18) B21(1,18) B22(2,18) B23(3,18) B24(4,18) B25(5,18) B26(6,18) B27(7,18) B28(8,18) B29(9,18) B30(10,18) B31(11,18) B32(12,18) B33(13,18) B34(14,18) B35(15,18) B36(16,18) B37(17,18) B38(18,18) B39(19,18) C1(-19,17) C2(-18,17) C3(-17,17) C4(-16,17) C5(-15,17) C6(-14,17) C7(-13,17) C8(-12,17) C9(-11,17) C10(-10,17) C11(-9,17) C12(-8,17) C13(-7,17) C14(-6,17) C15(-5,17) C16(-4,17) C17(-3,17) C18(-2,17) C19(-1,17) C20(0,17) C21(1,17) C22(2,17) C23(3,17) C24(4,17) C25(5,17) C26(6,17) C27(7,17) C28(8,17) C29(9,17) C30(10,17) C31(11,17) C32(12,17) C33(13,17) C34(14,17) C35(15,17) C36(16,17) C37(17,17) C38(18,17) C39(19,17) D1(-19,16) D2(-18,16) D3(-17,16) D4(-16,16) D5(-15,16) D6(-14,16) D7(-13,16) D8(-12,16) D9(-11,16) D10(-10,16) D11(-9,16) D12(-8,16) D13(-7,16) D14(-6,16) D15(-5,16) D16(-4,16) D17(-3,16) D18(-2,16) D19(-1,16) D20(0,16) D21(1,16) D22(2,16) D23(3,16) D24(4,16) D25(5,16) D26(6,16) D27(7,16) D28(8,16) D29(9,16) D30(10,16) D31(11,16) D32(12,16) D33(13,16) D34(14,16) D35(15,16) D36(16,16) D37(17,16) D38(18,16) D39(19,16) E1(-19,15) E2(-18,15) E3(-17,15) E4(-16,15) E5(-15,15) E6(-14,15) E7(-13,15) E8(-12,15) E9(-11,15) E10(-10,15) E11(-9,15) E12(-8,15) E13(-7,15) E14(-6,15) E15(-5,15) E16(-4,15) E17(-3,15) E18(-2,15) E19(-1,15) E20(0,15) E21(1,15) E22(2,15) E23(3,15) E24(4,15) E25(5,15) E26(6,15) E27(7,15) E28(8,15) E29(9,15) E30(10,15) E31(11,15) E32(12,15) E33(13,15) E34(14,15) E35(15,15) E36(16,15) E37(17,15) E38(18,15) E39(19,15) F1(-19,14) F2(-18,14) F3(-17,14) F4(-16,14) F5(-15,14) F6(-14,14) F7(-13,14) F8(-12,14) F9(-11,14) F10(-10,14) F11(-9,14) F12(-8,14) F13(-7,14) F14(-6,14) F15(-5,14) F16(-4,14) F17(-3,14) F18(-2,14) F19(-1,14) F20(0,14) F21(1,14) F22(2,14) F23(3,14) F24(4,14) F25(5,14) F26(6,14) F27(7,14) F28(8,14) F29(9,14) F30(10,14) F31(11,14) F32(12,14) F33(13,14) F34(14,14) F35(15,14) F36(16,14) F37(17,14) F38(18,14) F39(19,14) G1(-19,13) G2(-18,13) G3(-17,13) G4(-16,13) G5(-15,13) G6(-14,13) G7(-13,13) G8(-12,13) G9(-11,13) G10(-10,13) G11(-9,13) G12(-8,13) G13(-7,13) G14(-6,13) G15(-5,13) G16(-4,13) G17(-3,13) G18(-2,13) G19(-1,13) G20(0,13) G21(1,13) G22(2,13) G23(3,13) G24(4,13) G25(5,13) G26(6,13) G27(7,13) G28(8,13) G29(9,13) G30(10,13) G31(11,13) G32(12,13) G33(13,13) G34(14,13) G35(15,13) G36(16,13) G37(17,13) G38(18,13) G39(19,13) H1(-19,12) H2(-18,12) H3(-17,12) H4(-16,12) H5(-15,12) H6(-14,12) H7(-13,12) H8(-12,12) H9(-11,12) H10(-10,12) H11(-9,12) H12(-8,12) H13(-7,12) H14(-6,12) H15(-5,12) H16(-4,12) H17(-3,12) H18(-2,12) H19(-1,12) H20(0,12) H21(1,12) H22(2,12) H23(3,12) H24(4,12) H25(5,12) H26(6,12) H27(7,12) H28(8,12) H29(9,12) H30(10,12) H31(11,12) H32(12,12) H33(13,12) H34(14,12) H35(15,12) H36(16,12) H37(17,12) H38(18,12) H39(19,12) J1(-19,11) J2(-18,11) J3(-17,11) J4(-16,11) J5(-15,11) J6(-14,11) J7(-13,11) J8(-12,11) J9(-11,11) J10(-10,11) J11(-9,11) J12(-8,11) J13(-7,11) J14(-6,11) J15(-5,11) J16(-4,11) J17(-3,11) J18(-2,11) J19(-1,11) J20(0,11) J21(1,11) J22(2,11) J23(3,11) J24(4,11) J25(5,11) J26(6,11) J27(7,11) J28(8,11) J29(9,11) J30(10,11) J31(11,11) J32(12,11) J33(13,11) J34(14,11) J35(15,11) J36(16,11) J37(17,11) J38(18,11) J39(19,11) K1(-19,10) K2(-18,10) K3(-17,10) K4(-16,10) K5(-15,10) K6(-14,10) K7(-13,10) K8(-12,10) K9(-11,10) K10(-10,10) K11(-9,10) K12(-8,10) K13(-7,10) K14(-6,10) K15(-5,10) K16(-4,10) K17(-3,10) K18(-2,10) K19(-1,10) K20(0,10) K21(1,10) K22(2,10) K23(3,10) K24(4,10) K25(5,10) K26(6,10) K27(7,10) K28(8,10) K29(9,10) K30(10,10) K31(11,10) K32(12,10) K33(13,10) K34(14,10) K35(15,10) K36(16,10) K37(17,10) K38(18,10) K39(19,10) L1(-19,9) L2(-18,9) L3(-17,9) L4(-16,9) L5(-15,9) L6(-14,9) L7(-13,9) L8(-12,9) L9(-11,9) L10(-10,9) L11(-9,9) L12(-8,9) L13(-7,9) L14(-6,9) L15(-5,9) L16(-4,9) L17(-3,9) L18(-2,9) L19(-1,9) L20(0,9) L21(1,9) L22(2,9) L23(3,9) L24(4,9) L25(5,9) L26(6,9) L27(7,9) L28(8,9) L29(9,9) L30(10,9) L31(11,9) L32(12,9) L33(13,9) L34(14,9) L35(15,9) L36(16,9) L37(17,9) L38(18,9) L39(19,9) M1(-19,8) M2(-18,8) M3(-17,8) M4(-16,8) M5(-15,8) M6(-14,8) M7(-13,8) M8(-12,8) M9(-11,8) M10(-10,8) M11(-9,8) M12(-8,8) M13(-7,8) M14(-6,8) M15(-5,8) M16(-4,8) M17(-3,8) M18(-2,8) M19(-1,8) M20(0,8) M21(1,8) M22(2,8) M23(3,8) M24(4,8) M25(5,8) M26(6,8) M27(7,8) M28(8,8) M29(9,8) M30(10,8) M31(11,8) M32(12,8) M33(13,8) M34(14,8) M35(15,8) M36(16,8) M37(17,8) M38(18,8) M39(19,8) N1(-19,7) N2(-18,7) N3(-17,7) N4(-16,7) N5(-15,7) N6(-14,7) N7(-13,7) N8(-12,7) N9(-11,7) N10(-10,7) N11(-9,7) N12(-8,7) N13(-7,7) N14(-6,7) N15(-5,7) N16(-4,7) N17(-3,7) N18(-2,7) N19(-1,7) N20(0,7) N21(1,7) N22(2,7) N23(3,7) N24(4,7) N25(5,7) N26(6,7) N27(7,7) N28(8,7) N29(9,7) N30(10,7) N31(11,7) N32(12,7) N33(13,7) N34(14,7) N35(15,7) N36(16,7) N37(17,7) N38(18,7) N39(19,7) P1(-19,6) P2(-18,6) P3(-17,6) P4(-16,6) P5(-15,6) P6(-14,6) P7(-13,6) P8(-12,6) P9(-11,6) P10(-10,6) P11(-9,6) P12(-8,6) P13(-7,6) P14(-6,6) P15(-5,6) P16(-4,6) P17(-3,6) P18(-2,6) P19(-1,6) P20(0,6) P21(1,6) P22(2,6) P23(3,6) P24(4,6) P25(5,6) P26(6,6) P27(7,6) P28(8,6) P29(9,6) P30(10,6) P31(11,6) P32(12,6) P33(13,6) P34(14,6) P35(15,6) P36(16,6) P37(17,6) P38(18,6) P39(19,6) R1(-19,5) R2(-18,5) R3(-17,5) R4(-16,5) R5(-15,5) R6(-14,5) R7(-13,5) R8(-12,5) R9(-11,5) R10(-10,5) R11(-9,5) R12(-8,5) R13(-7,5) R14(-6,5) R15(-5,5) R16(-4,5) R17(-3,5) R18(-2,5) R19(-1,5) R20(0,5) R21(1,5) R22(2,5) R23(3,5) R24(4,5) R25(5,5) R26(6,5) R27(7,5) R28(8,5) R29(9,5) R30(10,5) R31(11,5) R32(12,5) R33(13,5) R34(14,5) R35(15,5) R36(16,5) R37(17,5) R38(18,5) R39(19,5) T1(-19,4) T2(-18,4) T3(-17,4) T4(-16,4) T5(-15,4) T6(-14,4) T7(-13,4) T8(-12,4) T9(-11,4) T10(-10,4) T11(-9,4) T12(-8,4) T13(-7,4) T14(-6,4) T15(-5,4) T16(-4,4) T17(-3,4) T18(-2,4) T19(-1,4) T20(0,4) T21(1,4) T22(2,4) T23(3,4) T24(4,4) T25(5,4) T26(6,4) T27(7,4) T28(8,4) T29(9,4) T30(10,4) T31(11,4) T32(12,4) T33(13,4) T34(14,4) T35(15,4) T36(16,4) T37(17,4) T38(18,4) T39(19,4) U1(-19,3) U2(-18,3) U3(-17,3) U4(-16,3) U5(-15,3) U6(-14,3) U7(-13,3) U8(-12,3) U9(-11,3) U10(-10,3) U11(-9,3) U12(-8,3) U13(-7,3) U14(-6,3) U15(-5,3) U16(-4,3) U17(-3,3) U18(-2,3) U19(-1,3) U20(0,3) U21(1,3) U22(2,3) U23(3,3) U24(4,3) U25(5,3) U26(6,3) U27(7,3) U28(8,3) U29(9,3) U30(10,3) U31(11,3) U32(12,3) U33(13,3) U34(14,3) U35(15,3) U36(16,3) U37(17,3) U38(18,3) U39(19,3) V1(-19,2) V2(-18,2) V3(-17,2) V4(-16,2) V5(-15,2) V6(-14,2) V7(-13,2) V8(-12,2) V9(-11,2) V10(-10,2) V11(-9,2) V12(-8,2) V13(-7,2) V14(-6,2) V15(-5,2) V16(-4,2) V17(-3,2) V18(-2,2) V19(-1,2) V20(0,2) V21(1,2) V22(2,2) V23(3,2) V24(4,2) V25(5,2) V26(6,2) V27(7,2) V28(8,2) V29(9,2) V30(10,2) V31(11,2) V32(12,2) V33(13,2) V34(14,2) V35(15,2) V36(16,2) V37(17,2) V38(18,2) V39(19,2) W1(-19,1) W2(-18,1) W3(-17,1) W4(-16,1) W5(-15,1) W6(-14,1) W7(-13,1) W8(-12,1) W9(-11,1) W10(-10,1) W11(-9,1) W12(-8,1) W13(-7,1) W14(-6,1) W15(-5,1) W16(-4,1) W17(-3,1) W18(-2,1) W19(-1,1) W20(0,1) W21(1,1) W22(2,1) W23(3,1) W24(4,1) W25(5,1) W26(6,1) W27(7,1) W28(8,1) W29(9,1) W30(10,1) W31(11,1) W32(12,1) W33(13,1) W34(14,1) W35(15,1) W36(16,1) W37(17,1) W38(18,1) W39(19,1) Y1(-19,0) Y2(-18,0) Y3(-17,0) Y4(-16,0) Y5(-15,0) Y6(-14,0) Y7(-13,0) Y8(-12,0) Y9(-11,0) Y10(-10,0) Y11(-9,0) Y12(-8,0) Y13(-7,0) Y14(-6,0) Y15(-5,0) Y16(-4,0) Y17(-3,0) Y18(-2,0) Y19(-1,0) Y20(0,0) Y21(1,0) Y22(2,0) Y23(3,0) Y24(4,0) Y25(5,0) Y26(6,0) Y27(7,0) Y28(8,0) Y29(9,0) Y30(10,0) Y31(11,0) Y32(12,0) Y33(13,0) Y34(14,0) Y35(15,0) Y36(16,0) Y37(17,0) Y38(18,0) Y39(19,0)

## Nets
